# KiCad board fjol-daisy.kicad_pcb (continued)
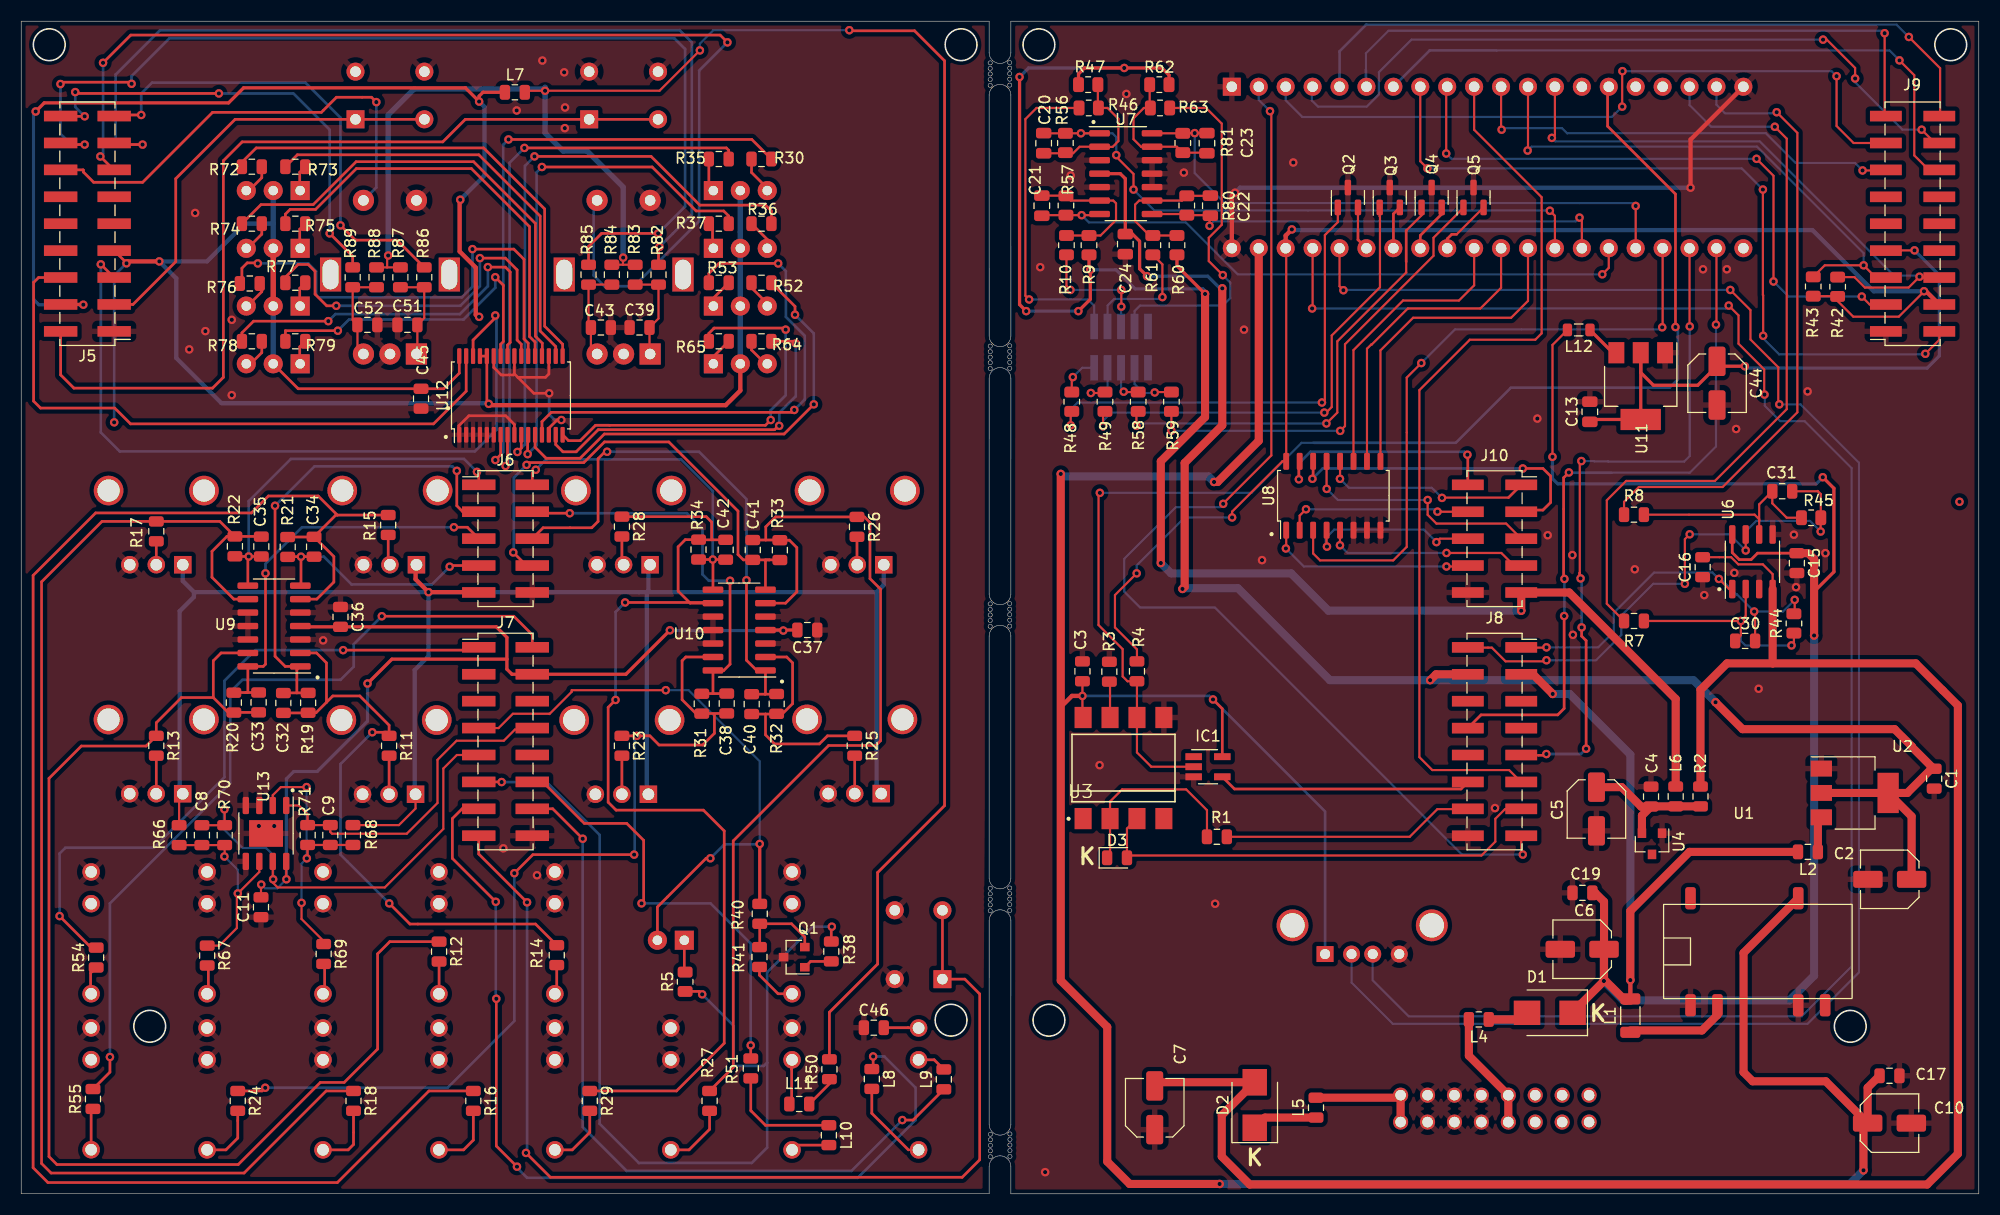
[diagram p0: board, top side]
## Routing (per net, layer and track width the routed paths; a pad name or vN(x,y) marks a point on that pad's centre or on a via; arc(x,y) is an arc through that point) (continued)
MIDI-THRU: length 23.9
  Top w0.25: IC1.4 114.46,38.21 135.83,38.21 136.47,38.85
MIDI-THRU-L-F: length 41.5
  Top w0.25: J7.12 49.21,38.88 53.12,34.96 57.12,34.96 58.72,33.36 58.72,27.61 v1(58.52,27.41) ; v1(68.82,14.01) 68.82,12.77 R51.2
  Bottom w0.25: v1(68.82,14.01) 68.82,23.62 65.03,27.41 v1(58.52,27.41)
midi_sw: length 106
  Top w0.203: 141.51,33.77 141.51,32.16 v1(141.66,32.02) ; v1(117.81,102.18) 117.93,102.06 117.93,69.69 113.4,65.15 v1(113.4,65.12)
  Bottom w0.203: A1.2 116.75,103.24 v1(117.81,102.18) ; v1(113.4,65.12) 113.08,64.81 108.93,64.81 104.06,59.93 104.06,56.88 104.04,56.86 105.56,55.33 112.61,55.33 135.92,32.02 v1(141.66,32.02)
midi_sw-F: length 102.5
  Top w0.25: sw-midi1.2 sw-midi1.1 89.02,20.26 90.42,18.86 90.42,3.21 88.77,1.56 49.92,1.56 v1(47.62,3.86) ; J7.15 43.16,32.07 v1(47.72,27.51)
  Bottom w0.25: v1(47.72,27.51) 47.72,3.96 v1(47.62,3.86)
PM1: length 19.6
  Top w0.203: v1(134.46,59.21) 136.39,59.21 J10.8 ; U8.1 119.34,60.94 v1(119.31,60.91)
  Bottom w0.203: v1(134.46,59.21) 121.01,59.21 v1(119.31,60.91)
PM1_F: length 46.1
  Top w0.25: 70.58,59.83 71.55,59.83 R33.1 ; 70.58,59.83 C41.1 68.13,59.83 67.62,60.34 67.62,64.44 61.1,70.96 55.02,70.96 53.07,69.01 47.89,69.01 v1(47.68,68.8) ; 70.58,59.83 70.22,59.83 70.17,59.79 70.21,59.75 U10.7 ; J6.8 47.66,59.3 v1(46.42,60.54)
  Bottom w0.25: v1(47.68,68.8) 46.47,67.59 46.47,60.59 v1(46.42,60.54)
PM2: length 19.3
  Top w0.203: v1(134.46,60.48) 139.63,60.48 140.82,59.29 J10.7 ; v1(124.41,61.21) 124.41,62.62 U8.5
  Bottom w0.203: v1(124.41,61.21) 125.13,60.48 v1(134.46,60.48)
PM2_F: length 23.9
  Top w0.25: v1(40.42,59.19) 40.53,59.3 J6.7 ; U9.7 26.39,57.46 v1(26.39,60.13) ; v1(26.39,60.13) 25.16,60.13 R21.1 ; v1(26.39,60.13) C34.1
  Bottom w0.25: v1(40.42,59.19) 38.75,57.51 31.17,57.51 28.55,60.13 v1(26.39,60.13)
RATIO1: length 22.6
  Top w0.25: v1(120.53,67.43) 120.53,69.06 120.61,69.13 ; J10.2 136.47,69.72 v1(136.43,69.76)
  Bottom w0.25: v1(120.53,67.43) 120.53,68.93 121.63,70.03 136.16,70.03 v1(136.43,69.76)
RATIO1_F: length 32
  Top w0.25: v1(65.24,59.86) 65.26,59.85 65.26,59.72 ; v1(65.24,59.86) 66.44,59.86 C42.1 ; v1(65.24,59.86) 65.12,59.86 ; J6.2 48.21,68 v1(48.55,68.34) ; U10.8 65.26,59.72 ; 65.26,59.72 65.12,59.86 ; 65.12,59.86 R34.1
  Bottom w0.25: v1(48.55,68.34) 49.52,69.31 62.25,69.31 65.24,66.31 v1(65.24,59.86)
RATIO2: length 20
  Top w0.203: v1(124.41,67.48) 124.42,67.49 U8.12 ; 140.31,65.71 134.06,65.71 v1(134.03,65.68)
  Top w0.25: 140.31,65.71 J10.1
  Bottom w0.203: v1(124.41,67.48) 125.26,66.63 133.08,66.63 v1(134.03,65.68)
RATIO2_F: length 35.5
  Top w0.25: v1(21.46,60.15) 20.18,60.15 R22.1 ; v1(21.46,60.15) C35.1 ; v1(21.46,60.15) 21.38,60.07 U9.8 ; v1(43,68.14) 43.16,67.97 J6.1
  Bottom w0.25: v1(43,68.14) 41.77,69.36 25.45,69.36 21.46,65.38 v1(21.46,60.15)
RELEASE: length 17.6
  Top w0.203: v1(121.21,64.61) 120.61,64.01 120.61,62.63 ; 136.47,64.37 133.62,64.37 v1(133.61,64.38)
  Bottom w0.203: v1(121.21,64.61) 133.38,64.61 v1(133.61,64.38)
RELEASE_F: length 38.2
  Top w0.25: 65.3,47.21 64.22,47.21 R31.1 ; 65.3,47.21 65.26,47.25 U10.14 66.28,49.39 66.87,49.99 v1(66.87,57.86) ; 65.3,47.21 C38.1 ; v1(51.75,64.24) 48.35,64.24 J6.4
  Bottom w0.25: v1(51.75,64.24) 62.8,64.24 64.27,62.76 64.27,58.46 64.87,57.86 v1(66.87,57.86)
RIGHT-OUT: length 53.5
  Top w0.203: 136.47,51.55 138.74,51.55 140.03,50.25 143.79,50.25 v1(143.89,50.36) ; C31.1 169.46,66.31 169.48,66.33 169.77,66.04 R45.2 169.76,63.79 v1(169.76,62.51) ; v1(157.4,62.24) 156.95,61.79 v1(156.95,57.57) ; v1(162.69,60.72) U6.7
  Bottom w0.203: v1(157.4,62.24) 161.16,62.24 v1(162.69,60.72) 162.69,62.51 163.68,63.51 168.76,63.51 v1(169.76,62.51) ; v1(143.89,50.36) 148.56,50.36 150.95,52.74 150.95,54.57 153.95,57.57 v1(156.95,57.57)
RIGHT-OUT-F: length 77.4
  Top w0.25: J7.2 48.21,52.77 46.47,54.51 v1(34.02,54.51) ; v1(8.37,12.91) 8.37,11.49 R55.2
  Bottom w0.25: v1(34.02,54.51) 31.37,51.86 31.37,49.76 30.12,48.51 20.87,48.51 19.72,47.36 19.72,38.76 8.37,27.41 v1(8.37,12.91)
SCL: length 51
  Top w0.203: v1(142.11,98.46) 142.15,98.5 A1.12 ; J9.5 174.96,86.48 v1(173.81,87.63) 170.15,87.63 R43.1
  Bottom w0.203: v1(142.11,98.46) 142.48,98.83 163.76,98.83 173.81,88.78 v1(173.81,87.63)
SCL_F: length 72.1
  Top w0.254: v1(7.51,87.72) 8.76,86.48 J5.5 ; v1(44.72,82.9) 44.72,82.67 42.63,80.58 U12.30
  Bottom w0.254: v1(7.51,87.72) 7.51,71.85 9.29,70.07 42.8,70.07 44.83,72.11 44.83,82.79 v1(44.72,82.9)
SDA: length 55.5
  Top w0.203: J9.6 179.16,86.48 v1(179.08,86.56) 178.06,85.53 173.93,85.53 172.95,86.52 R42.2 ; A1.13 144.69,99.95 v1(144.4,99.66)
  Bottom w0.203: v1(179.08,86.56) 178.98,86.66 176.68,86.66 164.01,99.33 144.73,99.33 v1(144.4,99.66)
SDA_F: length 60.2
  Top w0.25: U12.31 41.98,75.75 38.89,72.67 10.32,72.67 8.82,74.16 1.82,74.16 1.17,74.81 1.17,86.01 1.64,86.48 J5.6
switch1_sw: length 73.2
  Top w0.203: v1(164.33,80.98) 164.33,84.81 164.31,84.83 v1(164.31,94.78) ; A1.8 131.99,97.45 v1(132.66,96.78) ; v1(179.63,79.28) 180.95,80.6 J9.2
  Bottom w0.203: v1(132.66,96.78) 162.31,96.78 v1(164.31,94.78) ; 179.56,79.21 v1(179.63,79.28) 179.58,79.23 165.83,79.23 164.33,80.73 v1(164.33,80.98)
switch1_sw-F: length 83.5
  Top w0.25: 59.92,101.41 53.42,101.41
  Top w0.254: J5.2 3.72,77.29 4.97,76.04 18.05,76.04 19.07,77.06 19.07,97.5 20.85,99.28 39.77,99.28 41.9,101.41 sw-sel1.1
switch2_sw: length 59.6
  Top w0.203: v1(173.63,84.68) 174.38,83.94 J9.3 ; v1(165.31,86.11) 165.31,96.08 v1(163.71,97.68) ; A1.9 134.43,104.39 v1(134.43,98.18)
  Bottom w0.203: v1(165.31,86.11) 166.73,84.68 v1(173.63,84.68) ; v1(163.71,97.68) 134.93,97.68 v1(134.43,98.18)
switch2_sw-F: length 41.1
  Top w0.25: 31.46,101.41 37.96,101.41
  Top w0.254: J5.3 10.54,83.94 14.58,87.97 14.58,95.81 20.18,101.41 sw-sel2.1
switch3_sw: length 42.1
  Top w0.203: v1(173.71,96.58) 175.86,96.58 J9.13 ; v1(139.66,100.43) 139.61,100.48 A1.11
  Bottom w0.203: v1(173.71,96.58) 173,97.3 167.39,97.3 164.58,100.11 145.88,100.11 145.86,100.08 145.36,100.58 139.81,100.58 v1(139.66,100.43)
switch3_sw_F: length 109.2
  Top w0.25: v1(66.62,108.67) 65.94,109.36 10.34,109.36 v1(7.72,106.74) ; v1(7.47,97.91) 8.73,96.64 J5.13
  Bottom w0.25: v1(7.47,97.91) 7.72,98.16 v1(7.72,106.74) ; v1(66.62,108.67) 63.96,106.01 63.96,91.81 57.81,85.66 55.02,85.66 54,86.68 54,93.43 SW3.S1
switch4_sw: length 62
  Top w0.203: J9.14 179.96,96.64 178.59,98.01 178.59,105.58 v1(177.19,106.97)
  Bottom w0.203: 139.15,107.91 176.25,107.91 v1(177.19,106.97)
  Bottom w0.25: A1.7 132.88,107.91 139.15,107.91
switch4_sw_F: length 43.7
  Top w0.254: J5.14 5.84,96.64 5.86,96.61 5.86,96.44 6.83,95.47 11.46,95.47 18.06,102.07 28.32,102.07 29.74,103.49 33.05,103.49 v1(33.5,103.04)
  Bottom w0.254: SW4.S1 33.5,94.98 v1(33.5,103.04)
voct1: length 58.2
  Top w0.203: C20.1 96.48,100.09 R56.1 98.51,100.09 v1(99.97,100.09) 101.73,100.09 ; v1(103.31,98.03) 103.31,97.88 104.93,96.26 v1(104.93,94.78) ; v1(144.21,92.78) 144.69,92.3 A1.28
  Bottom w0.203: v1(99.97,100.09) 102.95,100.09 103.31,99.73 v1(103.31,98.03) ; v1(104.93,94.78) 106.91,92.81 144.18,92.81 v1(144.21,92.78)
voct1-I: length 31
  Top w0.203: v1(95.08,84.41) 94.73,84.76 94.73,101.43 95.78,102.48 R46.2
  Bottom w0.203: v1(95.08,84.41) 100.63,84.41 101.22,83.82 J2.1
voct2: length 44.8
  Top w0.203: A1.27 147.23,91.91 v1(147.01,92.13) ; v1(112.11,91.36) 112.11,92.23 C22.1 112.13,92.36 R80.1 109.85,92.47 U7.8
  Bottom w0.203: v1(112.11,91.36) 112.11,91.41 112.48,91.78 146.66,91.78 v1(147.01,92.13)
voct2-I: length 11.8
  Top w0.203: v1(107.66,84.63) 107.66,87.72 R61.2
  Bottom w0.203: 102.49,81.86 102.49,83.84 103.11,84.46 107.48,84.46 v1(107.66,84.63)
voct3: length 59.7
  Top w0.203: U7.7 101.63,92.36 v1(100.04,92.36) R57.1 96.34,92.36 C21.1 ; v1(149.16,86.78) 149.77,87.39 A1.26
  Bottom w0.203: v1(149.16,86.78) 114.76,86.78 109.86,91.68 100.72,91.68 v1(100.04,92.36)
voct3-I: length 11.7
  Top w0.203: v1(98.98,85.31) 98.61,85.68 R10.2 ; v1(103.78,83.73) v1(103.78,85.31)
  Bottom w0.203: v1(103.78,83.73) 103.76,83.71 J2.5 ; v1(103.78,85.31) v1(98.98,85.31)
voct4: length 55.8
  Top w0.203: C23.1 v1(110.71,100.11) 109.6,100.11 R81.1 109.58,100.09 106.68,100.09 ; v1(152.31,93.23) A1.25
  Bottom w0.203: v1(110.71,100.11) 110.71,96.33 113.53,93.51 152.03,93.51 v1(152.31,93.23)
voct4-I: length 34.3
  Top w0.203: R63.2 111.78,102.48 113.26,101.01 113.26,91.46 112.03,90.23 112.03,88.03 v1(113.36,86.71)
  Bottom w0.203: v1(113.36,86.71) 114.06,86.01 114.06,84.53 113.36,83.83 105.56,83.83 105.03,83.3 J2.7
Net-(ATTACK1-Pad2): length 3.6
  Top w0.25: R25.2 78.63,37.78 ATTACK1.2
Net-(C4-Pad1): length 18.1
  Top w0.305: C4.1 156.07,36.56 L6.1 R2.2
  Top w0.762: C5.1 150.98,38.38 152.83,36.54 153.74,36.54 C4.1 ; C4.1 153.77,36.57 R2.2 ; C4.1 152.9,35.7 U4.2
Net-(C8-Pad2): length 20
  Top w0.203: R67.1 18.68,23.42 20.35,25.09 20.35,28.26 v1(20.43,28.35) 22.46,30.38 U13.6 ; R66.1 C8.2 R70.2 19.2,31.86 v1(19.17,31.84)
  Bottom w0.203: v1(19.17,31.84) 20.43,30.57 v1(20.43,28.35)
Net-(C9-Pad2): length 25.9
  Top w0.203: v1(26.45,27.46) 26.45,25.94 28.53,23.85 R69.1 ; U13.2 23.73,37.62 24.5,38.39 v1(26.92,38.39) ; v1(26.95,31.66) 27.02,31.74 R71.2 C9.2 R68.1
  Bottom w0.203: v1(26.45,27.46) 26.45,31.16 v1(26.95,31.66) 26.92,31.69 v1(26.92,38.39)
Net-(C20-Pad2): length 14.2
  Top w0.203: R47.1 101.57,102.53 R46.1 102.48,102.48 103.51,101.46 103.51,99.36 102.96,98.81 101.75,98.81 U7.2 99.85,98.82 99.23,98.21 C20.2
Net-(C21-Pad2): length 14.2
  Top w0.203: R10.1 R9.1 101.82,90.44 103.28,91.91 103.28,93.48 103.02,93.74 U7.6 99.01,93.74 R57.2 98.54,94.21 C21.2
Net-(C22-Pad2): length 13.5
  Top w0.203: R60.1 R61.1 106.45,90.44 105.08,91.81 105.08,93.36 105.47,93.74 U7.9 109.51,93.74 R80.2 112.17,94.19 C22.2
Net-(C23-Pad2): length 13.7
  Top w0.203: C23.2 111.8,98.26 R81.2 109.03,98.82 U7.13 105.64,98.82 104.93,99.53 104.93,101.51 105.91,102.48 R63.1 106.46,102.54 R62.1
Net-(C30-Pad2): length 22.5
  Top w0.203: v1(162.23,54.06) 162.23,52.72 C30.2 ; v1(162.23,54.06) R7.2 ; v1(162.23,54.06) 162.69,54.52 U6.2 ; v1(167.01,51.76) 167.23,51.98 R44.1
  Bottom w0.203: v1(162.23,54.06) 162.23,52.18 162.66,51.76 v1(167.01,51.76)
Net-(C31-Pad2): length 20.2
  Top w0.203: 163.96,63.53 163.96,63.67 163.53,64.1 157.34,64.1 ; 163.96,63.53 163.96,65.07 C31.2 165.2,65.17 166.56,63.81 R45.1 ; 163.96,63.53 U6.6 ; R8.2 157.32,64.1
Net-(C32-Pad2): length 57.8
  Top w0.25: 28.8,46.39 28.8,50.11 27.86,51.05 U9.2 ; 28.8,46.39 27.81,45.4 R19.2 27.05,45.39 C32.2 ; 28.8,46.39 29.4,46.99 31.95,46.99 34.71,44.23 R11.1 34.37,43.56 v1(33.12,43.56) ; v1(34.72,27.41) 36.67,25.46 48.52,25.46 R14.1
  Bottom w0.25: v1(33.12,43.56) 30.12,40.56 30.12,32.01 v1(34.72,27.41)
Net-(C33-Pad2): length 118.1
  Top w0.25: 18.12,46.84 15.12,46.84 12.74,44.46 R13.1 11.78,42.26 5.67,42.26 2.62,39.21 2.62,3.51 3.37,2.76 20.47,2.76 28.22,10.51 30.47,10.51 33.62,13.66 33.62,22.65 34.77,23.8 R12.1 ; 18.12,46.84 18.12,50.31 18.86,51.05 U9.13 ; 18.12,46.84 19.54,45.42 R20.2 20.08,45.44 C33.2
Net-(C34-Pad2): length 153.4
  Top w0.25: 29.82,64.06 28.02,65.86 23.32,65.86 21.72,64.26 7.02,64.26 1.12,58.36 1.12,2.46 2.52,1.06 29.82,1.06 38.47,9.71 R16.1 ; 29.82,64.06 R15.1 ; 29.82,64.06 29.68,64.06 C34.2 ; R21.2 27.61,61.99 C34.2 ; C34.2 29.5,60.14 29.5,57.74 27.89,56.13 U9.6
Net-(C35-Pad2): length 121
  Top w0.25: C35.2 22.63,62.04 R22.2 ; R22.2 18.74,63.46 R17.1 7.62,63.46 1.92,57.76 1.92,2.86 2.82,1.96 21.02,1.96 28.77,9.71 R18.1 ; R22.2 19.41,62.04 18,60.64 18,58.19 20.06,56.13 U9.9
Net-(C38-Pad2): length 88.9
  Top w0.25: C38.2 64.22,45.34 R31.2 63.66,45.32 62.35,46.64 62.35,50.31 62.7,50.66 U10.13 ; 65.4,45.19 65.4,43.46 64.3,42.36 60.17,42.36 59.31,43.22 v1(58.08,43.22) R23.1 ; v1(46.52,30.26) 48.27,32.01 v1(57.82,32.01) ; R24.1 22.72,9.71 v1(23.02,10.01)
  Bottom w0.25: v1(46.52,30.26) 46.52,16.31 40.22,10.01 v1(23.02,10.01) ; v1(58.08,43.22) 57.87,43.01 57.87,32.06 v1(57.82,32.01)
Net-(C39-Pad2): length 9.1
  Top w0.203: SW3.A 59.27,79.32 C39.2 60.12,82.61 R82.1 R83.1
Net-(C40-Pad2): length 22
  Top w0.25: 70.22,45.28 70.22,43.32 71.07,42.46 75.3,42.46 76.06,43.22 R25.1 ; 70.22,45.28 C40.2 ; 70.22,45.28 71.25,45.28 R32.2 71.81,45.3 72.77,46.26 72.77,50.11 72.22,50.66 U10.2
Net-(C41-Pad2): length 87.1
  Top w0.25: R27.1 67.17,11.94 67.17,33.31 76.17,42.31 80.62,42.31 81.07,42.76 81.07,57.06 80.07,58.06 80.07,63.36 79.55,63.89 R26.1 71.17,63.89 70.24,62.96 70.24,61.71 ; U10.6 72.11,55.74 73.17,56.81 73.17,60.99 72.47,61.69 R33.2 71.55,61.71 70.24,61.71 ; 70.24,61.71 C41.2
Net-(C42-Pad2): length 97.5
  Top w0.25: 65.13,61.72 65.13,63.4 64.62,63.91 R28.1 ; 65.13,61.72 63.92,61.72 R34.2 62.65,61.74 61.97,61.06 61.97,56.89 63.11,55.74 U10.9 65.19,55.81 v1(56.97,55.81) ; 65.13,61.72 C42.2 ; v1(56.07,46.61) 55.37,45.91 55.37,36.96 56.12,36.21 64.36,36.21 66.32,34.25 66.32,14.21 61.82,9.71 R29.1
  Bottom w0.25: v1(56.97,55.81) 56.07,54.91 v1(56.07,46.61)
Net-(C43-Pad2): length 9.1
  Top w0.203: SW3.B 54.27,79.26 53.75,79.79 C43.2 53.52,81.99 R85.2 R84.1
Net-(C46-Pad2): length 3.3
  Top w0.254: MIDI-IN1.P$3_SLEEVE 84.63,15.67 83.67,15.67 83.66,15.68 C46.2
Net-(C51-Pad2): length 8.9
  Top w0.203: SW4.A 37.37,79.35 C51.2 38.02,82.66 R86.1 R87.1
Net-(C52-Pad2): length 9
  Top w0.203: R88.1 R89.2 31.27,82.46 C52.2 31.72,79.83 SW4.B
Net-(CTL2-Pad2): length 3.6
  Top w0.25: CTL2.2 12.74,37.77 R13.2
Net-(CV-CTL2-PadP$1_TIP): length 2.8
  Top w0.25: R12.2 39.42,19.11
Net-(CV-CTL3-PadP$1_TIP): length 2.9
  Top w0.25: R69.2 28.63,21.61 28.63,18.88
Net-(CV-CTL4-PadP$1_TIP): length 2.7
  Top w0.25: 17.65,18.88 17.65,21.44 R67.2
Net-(CV-PM1-PadP$1_TIP): length 5.8
  Top w0.254: 61.67,4.15 63,4.15 64.94,6.09 R27.2
Net-(CV-PM2-PadP$1_TIP): length 6.1
  Top w0.254: 39.65,4.15 41.73,4.15 42.65,5.07 R16.2
Net-(CV-RAT1-PadP$1_TIP): length 5.7
  Top w0.254: R29.2 53.64,5.8 51.99,4.15 50.67,4.15
Net-(CV-RAT2-PadP$1_TIP): length 6.1
  Top w0.254: R18.2 31.35,4.65 30.84,4.15 28.63,4.15
Net-(CV-REL1-PadP$1_TIP): length 5.8
  Top w0.254: 17.65,4.15 19.31,4.15 20.43,5.26 R24.2
Net-(D1-Pad2): length 3.9
  Top w0.762: D1.2 141.43,16.46 L4.1
Net-(D2-Pad1): length 6.2
  Top w0.762: L5.1 117.33,7.19 D2.1
Net-(D3-Pad1): length 18.4
  Top w0.203: R1.1 111.86,36.21 109.91,38.16 103.86,38.16 102.72,37.02 U3.2 102.72,31.99 D3.1
Net-(D4-Pad1): length 3
  Top w0.25: D4.1 62.56,21 R5.2
Net-(D5-Pad1): length 3.1
  Top w0.25: R35.1 64.87,95.03 65.22,94.69
Net-(D5-Pad3): length 3.5
  Top w0.25: 70.45,94.84 68.9,96.39 R30.1
Net-(D6-Pad1): length 2.5
  Top w0.25: R37.1 64.87,91.31 65.22,90.96 65.22,89.24
Net-(D6-Pad3): length 2.9
  Top w0.25: R36.1 70.38,90.08 D6.3
Net-(D7-Pad1): length 2.8
  Top w0.25: 65.22,83.79 65.22,84.46 R53.1
Net-(D7-Pad3): length 2.7
  Top w0.25: 70.46,83.95 68.9,85.51 R52.1
Net-(D8-Pad1): length 2.8
  Top w0.25: R65.1 65.22,78.93 65.22,78.34
Net-(D8-Pad3): length 2.8
  Top w0.25: R64.1 68.9,79.64 70.32,78.22
Net-(D9-Pad1): length 2.5
  Top w0.25: 26.28,94.69 26.28,96.41 R73.1
Net-(D9-Pad3): length 3.1
  Top w0.25: R72.1 22.7,95.9 21.22,94.43
Net-(D10-Pad1): length 2.5
  Top w0.25: 26.28,89.24 26.28,91.04 R75.1
Net-(D10-Pad3): length 3.2
  Top w0.25: R74.1 22.7,90.57 21.1,88.98
Net-(D11-Pad1): length 2.4
  Top w0.25: 26.28,83.79 26.28,85.46 R77.1
Net-(D11-Pad3): length 3.1
  Top w0.25: 21.08,83.53 22.7,85.14 22.7,85.99
Net-(D12-Pad1): length 2.3
  Top w0.25: R79.1 26.28,79.94 26.28,78.34
Net-(D12-Pad3): length 2.7
  Top w0.25: R78.1 22.7,79.39 21.57,78.27
Net-(GATE-OUT1-PadP$1_TIP): length 4.5
  Top w0.25: 72.67,18.88 71.4,18.88 69.65,20.64 R41.1
Net-(J1-Pad1): length 10.6
  Top w0.762: J1.2 J1.1 129.89,9.07 L5.2
Net-(J1-Pad10): length 11.2
  Top w0.762: J1.10 J1.9 136.57,13.03 L4.2
Net-(L1-Pad1): length 9.7
  Top w0.762: U1.2 160.02,16.88 158.56,15.42 151.8,15.42
Net-(L2-Pad1): length 3.4
  Top w0.762: U2.3 169.49,35.2 L2.1
Net-(L8-Pad2): length 8.1
  Top w0.203: 83.69,4.15 MIDI-IN1.P$1_TIP
  Top w0.254: 83.69,4.15 80.24,7.6 L8.2
Net-(L9-Pad2): length 2.8
  Top w0.254: L9.2 86.13,12.65 MIDI-IN1.P$2_SWITCH
Net-(L10-Pad1): length 11
  Top w0.25: R51.1 68.83,7.85 68.89,7.79
  Top w0.254: L10.1 70.21,6.47 68.89,7.79
Net-(L10-Pad2): length 4.5
  Top w0.203: MIDI-THRU1.P$1_TIP 72.92,4.15 73.36,4.59
  Top w0.254: 72.67,4.15 73.12,4.59 L10.2
Net-(L11-Pad1): length 3.1
  Top w0.25: R50.1 76.24,10.38 L11.1
Net-(L11-Pad2): length 5.2
  Top w0.203: 72.68,11.75 72.68,12.61 MIDI-THRU1.P$2_SWITCH
  Top w0.254: 72.38,8.52 72.68,8.82 72.68,12.63
Net-(L12-Pad1): length 3.4
  Top w0.305: L12.1 150.15,79.38 U11.3
Net-(LEFT-OUT1-PadP$1_TIP): length 2.7
  Top w0.25: 6.55,18.88 6.55,20.84 R54.1
Net-(PM1-Pad2): length 2.6
  Top w0.25: R26.2 78.85,59.4 PM1.2
Net-(PM2-Pad2): length 2.8
  Top w0.25: 34.71,59.37 34.62,59.46 R15.2
Net-(Q1-Pad1): length 2.7
  Top w0.25: R38.1 74.47,21.94 Q1.1
Net-(Q1-Pad2): length 7.9
  Top w0.25: R41.2 69.67,23.31 R40.1 72.67,25.49 73.92,24.24 Q1.2
Net-(Q2-Pad1): length 45.9
  Top w0.203: v1(99.01,72.53) 99.01,73.74 R48.2 ; v1(122.71,74.68) 122.98,74.96 122.98,90.48 124.21,91.71 Q2.1
  Bottom w0.203: v1(99.01,72.53) 99.01,74.03 99.66,74.68 v1(122.71,74.68)
Net-(Q3-Pad1): length 44.9
  Top w0.203: R49.2 102.06,73.66 v1(102.06,72.43) ; 128.16,93.09 128.16,92.26 128.18,92.23 128.18,85.56 123.63,81.01 123.63,74.26 123.11,73.73 v1(122.93,73.73)
  Bottom w0.203: v1(102.06,72.43) 102.06,72.96 102.83,73.73 v1(122.93,73.73)
Net-(Q4-Pad1): length 43.6
  Top w0.203: v1(123.13,72.71) 124.16,73.73 124.16,80.46 130.66,86.96 130.66,87.98 ; 130.71,90.96 132.11,92.36 Q4.1 ; v1(105.21,72.48) 105.21,73.68 R58.2
  Top w0.25: 130.71,90.96 130.66,90.91 130.66,87.98
  Bottom w0.203: v1(123.13,72.71) 105.43,72.71 v1(105.21,72.48)
Net-(Q5-Pad1): length 43.7
  Top w0.203: v1(108.51,72.03) R59.2 ; Q5.1 136.06,93.06 133.23,90.23 133.23,88.53 124.88,80.18 124.88,72.46 v1(124.43,72.01)
  Bottom w0.203: v1(108.51,72.03) 108.53,72.01 v1(124.43,72.01)
Net-(R3-Pad2): length 3.4
  Top w0.203: U3.7 102.72,48.28 R3.2
Net-(R11-Pad2): length 3.6
  Top w0.25: R11.2 34.71,37.72 cutoff1.2
Net-(R14-Pad2): length 2.6
  Top w0.25: R14.2 50.52,19.03
Net-(R17-Pad2): length 2.2
  Top w0.25: R17.2 RATIO2.2
Net-(R23-Pad2): length 3.6
  Top w0.25: RELEASE1.2 56.67,37.71 R23.2
Net-(R28-Pad2): length 2.7
  Top w0.25: 56.67,59.37 R28.2
Net-(R55-Pad1): length 3.9
  Top w0.25: R55.1 6.6,7.84 RIGHT-OUT1.P$1_TIP

## Copper pours and planes (outline as drawn; the poured copper is in the pictures)
GND on Top: 0.15,0.47 90.7,0.47 91.33,110.33 0.15,110.33
GND on Bottom: 0.02,0.6 90.85,0.61 91.2,110.33 0.02,110.33
GND1 on Top: 184.78,0.09 93.47,0.09 93.37,110.73 184.73,111.24
GND1 on Bottom: 184.78,0.09 93.47,0.09 93.35,110.68 185.17,111.29

## Text on the board
B.Silkscreen: RED HERE | EXPANDER | FJÖL Hardware / Daisy version
F.Silkscreen: K
